# Altium PCB KlusterLab r2.0.PcbDoc (part 12 of 22)
Units mm, origin at the board's own origin, x right, y up, seen from the top; angles counter-clockwise.
Board outline 232 x 250 mm, 12 copper layers (L1 Top, L2 Inner1 (GND), L3 Inner2 (Sig), L4 Inner3 (GND), L5 Inner4 (PWR), L6 Inner5 (PWR), L7 Inner6 (PWR), L8 Inner7 (PWR), L9 Inner8 (GND), L10 Inner9 (Sig), L11 Inner10 (GND), L12 Bottom), stack 1.614 mm thick; 1169 components, 852 nets, 4679 pads, 5115 vias.
Unrouted connection lines stored in the file: 1.
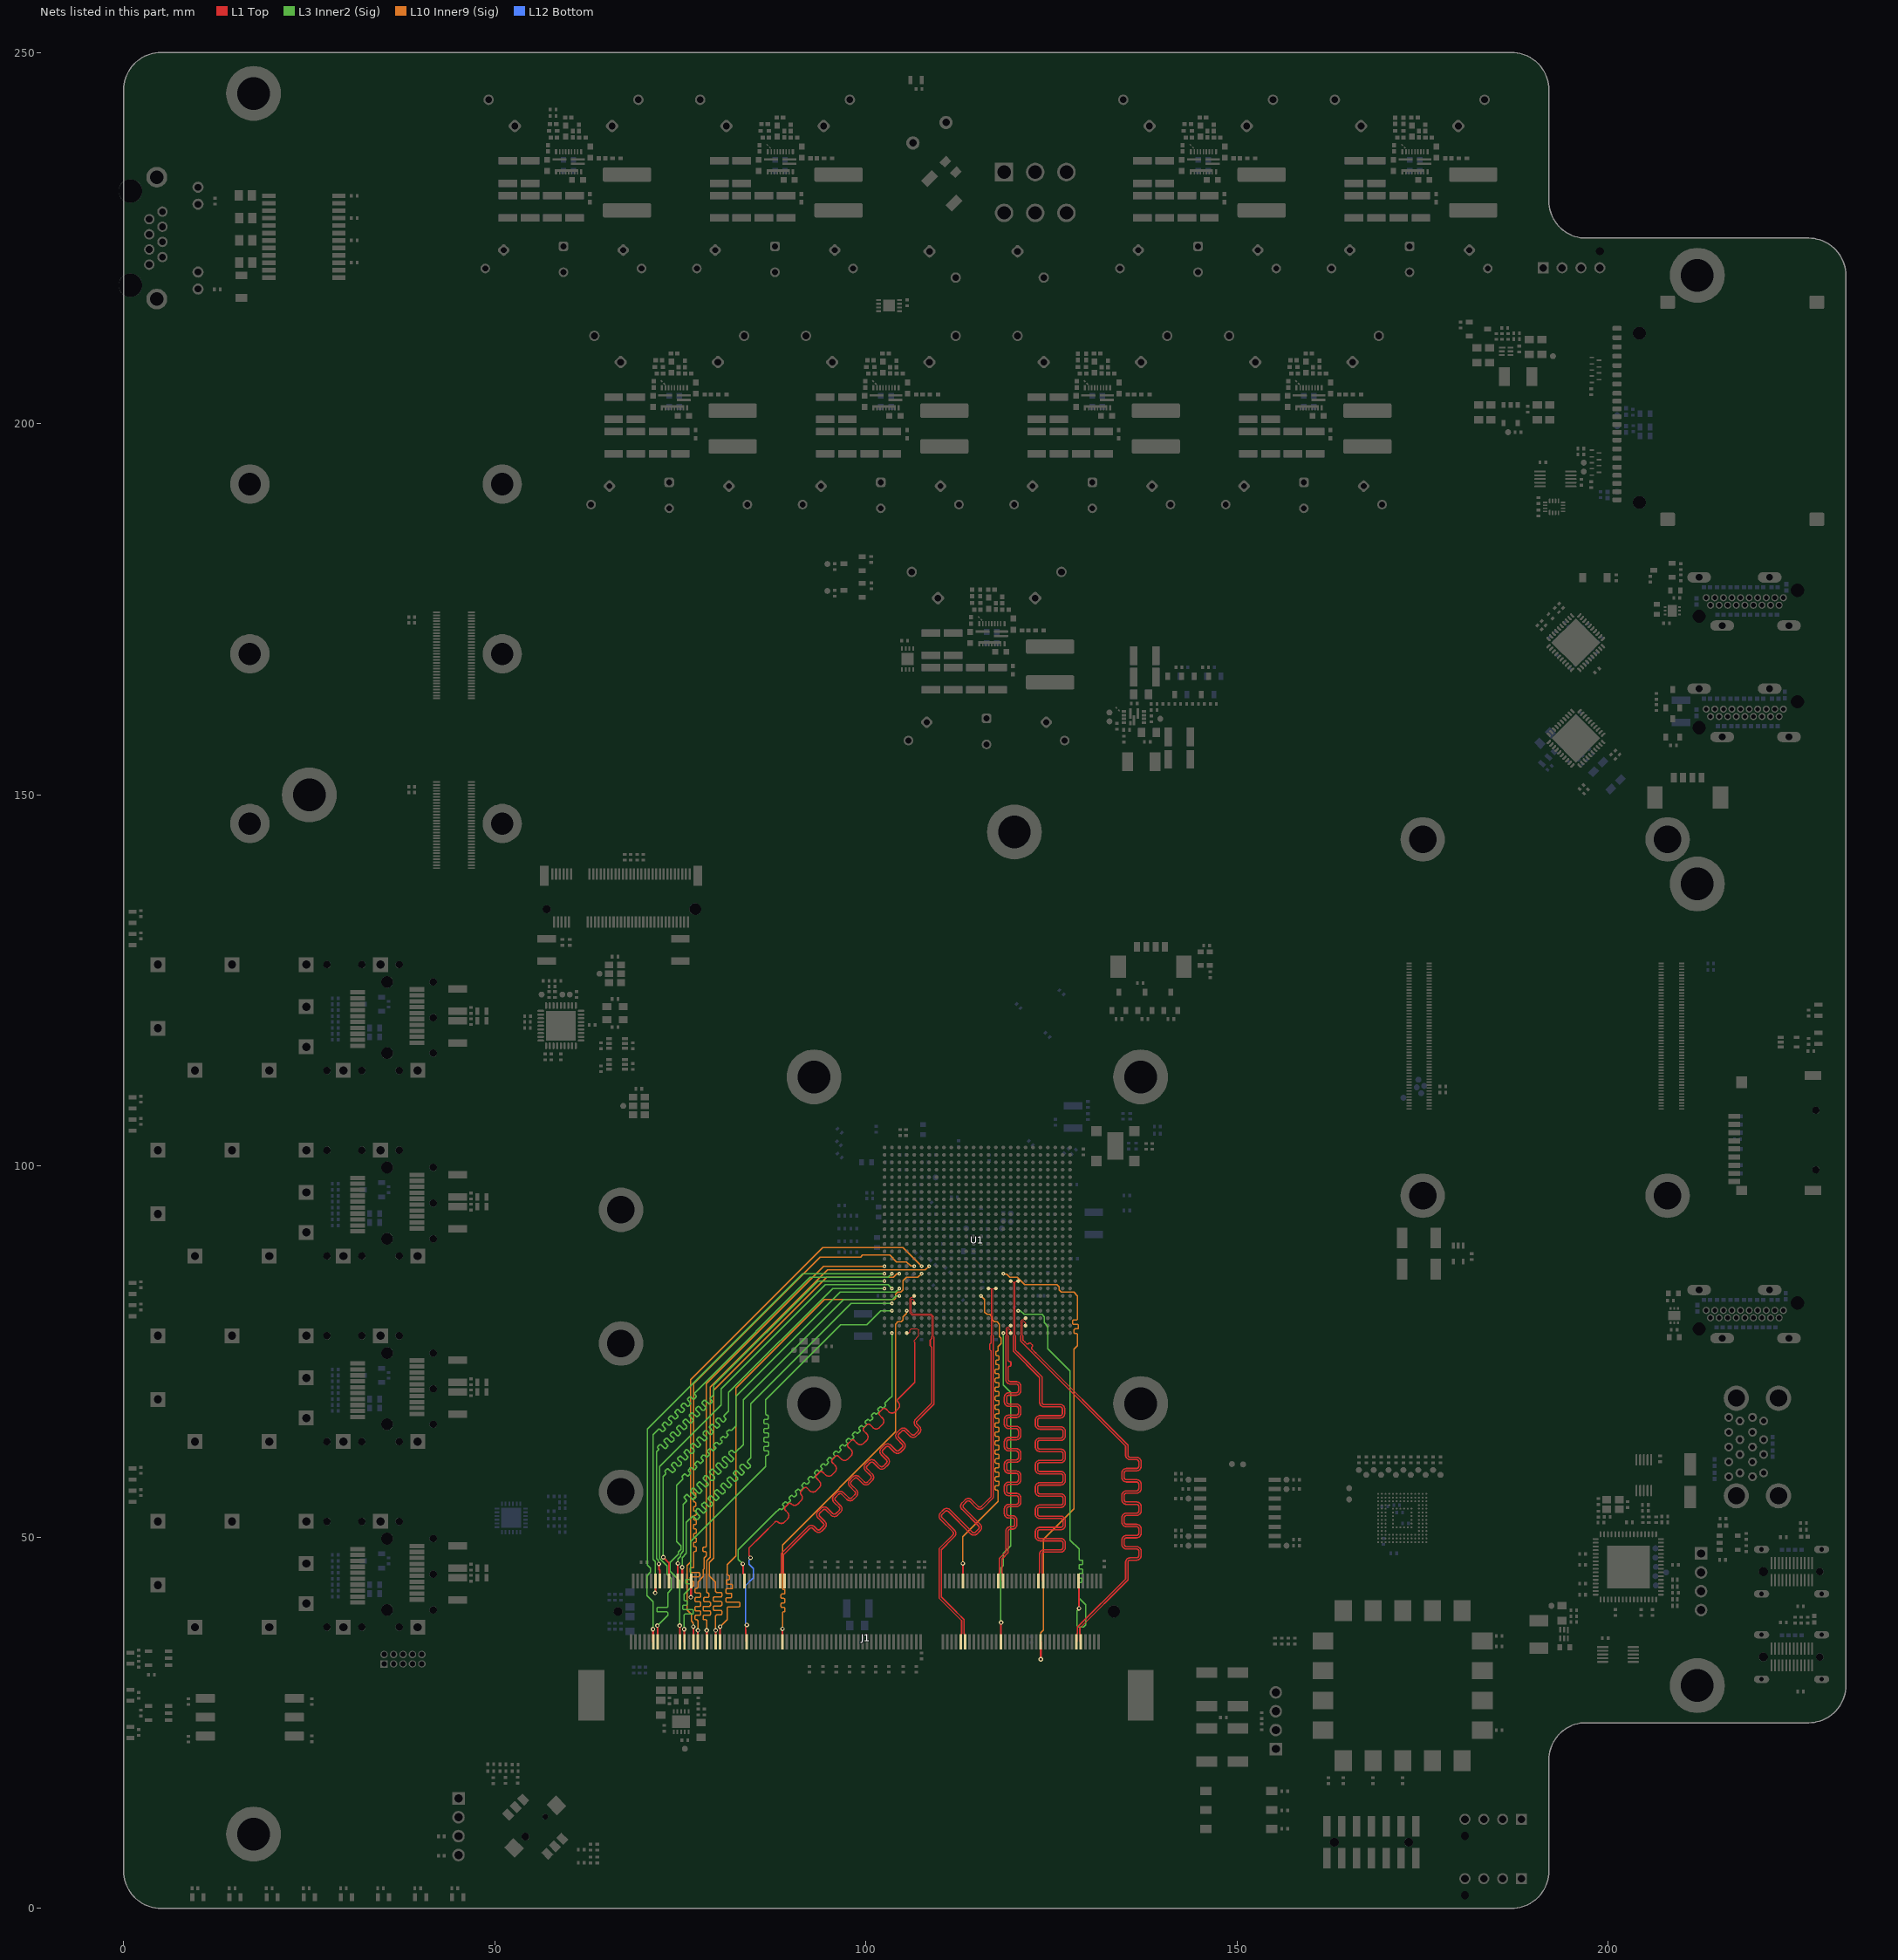
[diagram p22: the nets of this part, all layers, seen from the top]

## Via types
v1: diameter 0.45, hole 0.2, L1 Top to L12 Bottom, tented both sides, 4200 vias
v2: diameter 0.6, hole 0.3, L1 Top to L12 Bottom, tented both sides, 908 vias
v3: diameter 0.4, hole 0.2, L1 Top to L12 Bottom, tented both sides, 7 vias

## Nets (pads, with @x,y where several pads share a name; then routed paths per layer and width w, separated by ;. In a path a pad name is that pad's centre, name@x,y a point inside that pad or via, vN(x,y) a via of type N, cw(c..) or ccw(c..) an arc to the next point about the centre after c; other vN are vias at no path point) (continued)
DDR3_D51: J1.177 U1.U5 | length 75
  L1 Top w0.249: v2(76.4,41.9) 76.425,41.925 76.425,44.075 J1.177@76.45,44.1
  L10 Inner9 (Sig) w0.154: v2(76.4,41.9) 76.4,43.1 76.8,43.5 76.8,43.824 76.8,43.901 ccw(c76.646,43.901) 76.646,44.055 76.451,44.055 cw(c76.451,44.206) 76.3,44.206 76.3,44.508 cw(c76.451,44.508) 76.451,44.659 77.427,44.659 ccw(c77.427,44.81) 77.578,44.81 77.578,45.112 ccw(c77.427,45.112) 77.427,45.263 76.451,45.263 cw(c76.451,45.414) 76.3,45.414 76.3,45.716 cw(c76.451,45.716) 76.451,45.867 76.646,45.867 ccw(c76.646,46.021) 76.8,46.021 76.8,47.175 76.8,47.255 76.8,47.936 cw(c76.954,47.936) 76.954,48.09 77.009,48.09 ccw(c77.009,48.241) 77.16,48.241 77.16,48.543 ccw(c77.009,48.543) 77.009,48.694 76.919,48.694 cw(c76.919,48.845) 76.768,48.845 76.768,49.147 cw(c76.919,49.147) 76.919,49.298 77.009,49.298 ccw(c77.009,49.449) 77.16,49.449 77.16,49.751 ccw(c77.009,49.751) 77.009,49.902 76.919,49.902 cw(c76.919,50.053) 76.768,50.053 76.768,50.355 cw(c76.919,50.355) 76.919,50.506 77.009,50.506 ccw(c77.009,50.657) 77.16,50.657 77.16,50.959 ccw(c77.009,50.959) 77.009,51.11 76.919,51.11 cw(c76.919,51.261) 76.768,51.261 76.768,51.563 cw(c76.919,51.563) 76.919,51.714 77.009,51.714 ccw(c77.009,51.865) 77.16,51.865 77.16,52.167 ccw(c77.009,52.167) 77.009,52.318 76.919,52.318 cw(c76.919,52.469) 76.768,52.469 76.768,52.771 cw(c76.919,52.771) 76.919,52.922 76.982,52.922 ccw(c76.982,53.073) 77.133,53.073 77.133,53.375 ccw(c76.982,53.375) 76.982,53.526 76.919,53.526 cw(c76.919,53.677) 76.768,53.677 76.768,53.979 cw(c76.919,53.979) 76.919,54.13 ccw(c76.919,54.281) 77.07,54.281 77.07,54.583 ccw(c76.919,54.583) 76.919,54.734 cw(c76.919,54.885) 76.768,54.885 76.768,55.187 cw(c76.919,55.187) 76.919,55.338 76.954,55.338 ccw(c76.954,55.489) 77.105,55.489 77.105,55.791 ccw(c76.954,55.791) 76.954,55.942 cw(c76.954,56.096) 76.8,56.096 76.8,57.127 76.8,70.7 93.841,87.741 99.281,87.741 99.538,87.998 103.202,87.998 104.102,87.098 105.471,87.098 106.044,86.525 106.476,86.525 v1(106.5,86.5)
DDR3_D52: J1.164 U1.V6 | length 74.3
  L1 Top w0.249: v2@80.3,38 v2(80.35,37.95) J1.164@80.35,35.9
  L10 Inner9 (Sig) w0.154: v2(80.35,37.95) 81.325,38.925 81.325,39.793 81.325,40.474 cw(c81.479,40.474) 81.479,40.628 82.885,40.628 ccw(c82.885,40.779) 83.036,40.779 83.036,41.081 ccw(c82.885,41.081) 82.885,41.232 81.276,41.232 cw(c81.276,41.383) 81.125,41.383 81.125,41.685 cw(c81.276,41.685) 81.276,41.836 81.772,41.836 ccw(c81.772,41.987) 81.923,41.987 81.923,42.289 ccw(c81.772,42.289) 81.772,42.44 81.276,42.44 cw(c81.276,42.591) 81.125,42.591 81.125,42.893 cw(c81.276,42.893) 81.276,43.044 81.875,43.044 ccw(c81.875,43.195) 82.026,43.195 82.026,43.497 ccw(c81.875,43.497) 81.875,43.648 81.325,43.648 cw(c81.325,43.799) 81.174,43.799 81.174,44.101 cw(c81.325,44.101) 81.325,44.252 81.48,44.252 ccw(c81.48,44.403) 81.631,44.403 81.631,44.705 ccw(c81.48,44.705) 81.48,44.856 cw(c81.479,45.01) 81.325,45.01 81.325,45.5 81.325,46.284 82.5,47.458 82.5,70.1 88.4,76 94.4,82 103.8,82 104,82.2 104,82.7 104.3,83 104.7,83 105,83.3 105,84.569 105.431,85 107,85 v1(107.5,85.5)
DDR3_D53: J1.166 U1.V3 | length 71.4
  L1 Top w0.249: J1.166@79.75,35.9 79.75,37.35 v2@79.8,37.4
  L10 Inner9 (Sig) w0.154: v2@79.75,37.4 v2(79.75,37.45) 79.75,38.7 79.75,39.381 cw(c79.904,39.381) 79.904,39.535 80.43,39.535 ccw(c80.43,39.686) 80.581,39.686 80.581,39.988 ccw(c80.43,39.988) 80.43,40.139 79.596,40.139 cw(c79.596,40.29) 79.445,40.29 79.445,40.592 cw(c79.596,40.592) 79.596,40.743 80.43,40.743 ccw(c80.43,40.894) 80.581,40.894 80.581,41.196 ccw(c80.43,41.196) 80.43,41.347 79.596,41.347 cw(c79.596,41.498) 79.445,41.498 79.445,41.8 cw(c79.596,41.8) 79.596,41.951 80.43,41.951 ccw(c80.43,42.102) 80.581,42.102 80.581,42.404 ccw(c80.43,42.404) 80.43,42.555 79.904,42.555 cw(c79.904,42.709) 79.75,42.709 79.75,43.7 79.75,43.95 78.9,44.8 78.9,46.6 79.5,47.2 79.5,69.8 94.7,85 103.7,85 104.182,85.482 104.482,85.482 v1(104.5,85.5)
DDR3_D54: J1.174 U1.U1 | length 70.8
  L1 Top w0.249: v2@77.3,37.5 v2(77.35,37.45) J1.174@77.35,35.9
  L10 Inner9 (Sig) w0.154: v2@77.35,37.5 77.35,38.639 77.35,38.716 ccw(c77.196,38.716) 77.196,38.87 77.123,38.87 cw(c77.123,39.021) 76.972,39.021 76.972,39.323 cw(c77.123,39.323) 77.123,39.474 77.587,39.474 ccw(c77.587,39.625) 77.738,39.625 77.738,39.927 ccw(c77.587,39.927) 77.587,40.078 77.123,40.078 cw(c77.123,40.229) 76.972,40.229 76.972,40.531 cw(c77.123,40.531) 77.123,40.682 77.587,40.682 ccw(c77.587,40.833) 77.738,40.833 77.738,41.135 ccw(c77.587,41.135) 77.587,41.286 77.123,41.286 cw(c77.123,41.437) 76.972,41.437 76.972,41.739 cw(c77.123,41.739) 77.123,41.89 77.587,41.89 ccw(c77.587,42.041) 77.738,42.041 77.738,42.343 ccw(c77.587,42.343) 77.587,42.494 77.123,42.494 cw(c77.123,42.645) 76.972,42.645 76.972,42.947 cw(c77.123,42.947) 77.123,43.098 77.196,43.098 ccw(c77.196,43.252) 77.35,43.252 77.35,43.941 77.35,43.95 78.1,44.7 78.1,45.658 78.175,45.733 78.175,47.175 78.5,47.5 78.5,47.896 78.5,47.973 78.389,48.084 78.14,48.084 78.03,48.195 78.03,48.527 78.14,48.638 78.389,48.638 78.5,48.749 78.5,50.96 78.5,70.7 94.3,86.5 100.5,86.5 v1(102.5,86.5)
DDR3_D55: J1.176 U1.U6 | length 75.4
  L1 Top w0.249: v2@76.7,38 v2(76.75,37.95) J1.176@76.75,35.9
  L10 Inner9 (Sig) w0.154: v2(76.75,37.95) 76.75,38.45 76.5,38.7 76.5,39.6 75.9,40.2 75.9,46.158 76.4,46.658 76.4,71.2 80.8,75.6 89.2,84 94.2,89 105,89 v1(107.5,86.5)
DDR3_D56: J1.181 U1.AB2 | length 68.2
  L1 Top w0.249: J1.181@75.25,44.1 v2(75.25,45.95)
  L3 Inner2 (Sig) w0.154: v2(75.25,45.95) 75.25,47.25 75.8,47.8 75.8,52 76.1,52.3 76.582,52.782 cw(c76.691,52.673) 76.799,52.782 77.148,52.433 ccw(c77.255,52.54) 77.361,52.433 77.575,52.647 ccw(c77.468,52.754) 77.575,52.86 77.055,53.38 cw(c77.162,53.487) 77.055,53.594 77.268,53.808 cw(c77.375,53.701) 77.482,53.808 78.002,53.288 ccw(c78.109,53.394) 78.216,53.288 78.429,53.501 ccw(c78.322,53.608) 78.429,53.715 77.909,54.235 cw(c78.016,54.341) 77.909,54.448 78.123,54.662 cw(c78.229,54.555) 78.336,54.662 78.856,54.142 ccw(c78.963,54.249) 79.07,54.142 79.283,54.355 ccw(c79.177,54.462) 79.283,54.569 78.763,55.089 cw(c78.87,55.196) 78.763,55.303 78.977,55.516 cw(c79.084,55.409) 79.19,55.516 79.71,54.996 ccw(c79.817,55.103) 79.924,54.996 80.138,55.21 ccw(c80.031,55.316) 80.138,55.423 79.618,55.943 cw(c79.724,56.05) 79.618,56.157 79.831,56.37 cw(c79.938,56.264) 80.045,56.37 80.565,55.85 ccw(c80.672,55.957) 80.778,55.85 80.992,56.064 ccw(c80.885,56.171) 80.992,56.277 80.472,56.797 cw(c80.579,56.904) 80.472,57.011 80.685,57.225 cw(c80.792,57.118) 80.899,57.225 81.419,56.705 ccw(c81.526,56.811) 81.633,56.705 81.846,56.918 ccw(c81.739,57.025) 81.846,57.132 81.326,57.652 cw(c81.433,57.758) 81.326,57.865 81.54,58.079 cw(c81.646,57.972) 81.753,58.079 82.273,57.559 ccw(c82.38,57.666) 82.487,57.559 82.7,57.772 ccw(c82.594,57.879) 82.7,57.986 82.18,58.506 cw(c82.287,58.613) 82.18,58.72 82.394,58.933 cw(c82.501,58.826) 82.607,58.933 83.127,58.413 ccw(c83.234,58.52) 83.341,58.413 83.555,58.627 ccw(c83.448,58.733) 83.555,58.84 83.035,59.36 cw(c83.141,59.467) 83.035,59.574 83.248,59.787 cw(c83.355,59.681) 83.462,59.787 83.982,59.267 ccw(c84.088,59.374) 84.195,59.267 84.409,59.481 ccw(c84.302,59.588) 84.409,59.694 84.061,60.043 cw(c84.169,60.152) 84.061,60.261 84.3,60.5 84.5,60.7 84.5,68 98,81.5 101,81.5 v1(103.5,81.5)
DDR3_D57: J1.183 U1.AA3 | length 70.2
  L1 Top w0.249: J1.183@74.65,44.1 v2(74.65,46.45)
  L3 Inner2 (Sig) w0.154: v2(74.65,46.45) 74.65,47.06 75,47.41 75,47.7 75.4,48.1 75.4,54.4 75.75,54.75 75.804,54.804 ccw(c75.696,54.913) 75.804,55.022 75.556,55.271 cw(c75.663,55.378) 75.556,55.485 75.769,55.698 cw(c75.876,55.591) 75.983,55.698 76.587,55.094 ccw(c76.694,55.201) 76.801,55.094 77.014,55.307 ccw(c76.908,55.414) 77.014,55.521 76.41,56.125 cw(c76.517,56.232) 76.41,56.339 76.624,56.552 cw(c76.73,56.446) 76.837,56.552 77.442,55.948 ccw(c77.548,56.055) 77.655,55.948 77.869,56.162 ccw(c77.762,56.268) 77.869,56.375 77.264,56.98 cw(c77.371,57.086) 77.264,57.193 77.478,57.407 cw(c77.585,57.3) 77.691,57.407 78.296,56.802 ccw(c78.403,56.909) 78.509,56.802 78.723,57.016 ccw(c78.616,57.123) 78.723,57.229 78.118,57.834 cw(c78.225,57.941) 78.118,58.047 78.332,58.261 cw(c78.439,58.154) 78.546,58.261 79.15,57.656 ccw(c79.257,57.763) 79.364,57.656 79.577,57.87 ccw(c79.47,57.977) 79.577,58.084 78.973,58.688 cw(c79.08,58.795) 78.973,58.902 79.186,59.115 cw(c79.293,59.008) 79.4,59.115 80.004,58.511 ccw(c80.111,58.618) 80.218,58.511 80.431,58.724 ccw(c80.325,58.831) 80.431,58.938 79.827,59.542 cw(c79.934,59.649) 79.827,59.756 80.041,59.969 cw(c80.147,59.863) 80.254,59.969 80.859,59.365 ccw(c80.965,59.472) 81.072,59.365 81.286,59.579 ccw(c81.179,59.685) 81.286,59.792 80.681,60.397 cw(c80.788,60.503) 80.681,60.61 80.895,60.824 cw(c81.002,60.717) 81.108,60.824 81.713,60.219 ccw(c81.82,60.326) 81.926,60.219 82.14,60.433 ccw(c82.033,60.54) 82.14,60.646 81.565,61.221 cw(c81.672,61.328) 81.565,61.435 81.779,61.648 cw(c81.885,61.542) 81.992,61.648 82.211,61.429 ccw(c82.32,61.538) 82.429,61.429 83.456,62.456 83.5,62.5 83.5,68.5 97,82 103.569,82 104.044,82.475 104.475,82.475 v1(104.5,82.5)
DDR3_D58: J1.191 U1.W1 | length 71.3
  L1 Top w0.249: v2(72.1,46.4) 72.124,46.376 72.124,45.634 72.25,45.508 J1.191@72.25,44.1
  L3 Inner2 (Sig) w0.154: v2(72.1,46.4) 72.015,46.485 72.015,46.914 71.8,47.129 71.8,61.5 71.975,61.675 72.03,61.73 ccw(c71.921,61.839) 72.03,61.948 71.969,62.009 cw(c72.076,62.116) 71.969,62.222 72.182,62.436 cw(c72.289,62.329) 72.396,62.436 72.84,61.992 ccw(c72.947,62.098) 73.054,61.992 73.267,62.205 ccw(c73.161,62.312) 73.267,62.419 72.823,62.863 cw(c72.93,62.97) 72.823,63.077 73.037,63.29 cw(c73.143,63.183) 73.25,63.29 73.694,62.846 ccw(c73.801,62.953) 73.908,62.846 74.122,63.059 ccw(c74.015,63.166) 74.122,63.273 73.677,63.717 cw(c73.784,63.824) 73.677,63.931 73.891,64.144 cw(c73.998,64.038) 74.104,64.144 74.549,63.7 ccw(c74.655,63.807) 74.762,63.7 74.976,63.914 ccw(c74.869,64.02) 74.976,64.127 74.531,64.571 cw(c74.638,64.678) 74.531,64.785 74.745,64.999 cw(c74.852,64.892) 74.959,64.999 75.403,64.554 ccw(c75.51,64.661) 75.617,64.554 75.83,64.768 ccw(c75.723,64.875) 75.83,64.981 75.386,65.426 cw(c75.493,65.532) 75.386,65.639 75.599,65.853 cw(c75.706,65.746) 75.813,65.853 76.257,65.408 ccw(c76.364,65.515) 76.471,65.408 76.684,65.622 ccw(c76.578,65.729) 76.684,65.836 76.24,66.28 cw(c76.347,66.387) 76.24,66.494 76.454,66.707 cw(c76.56,66.6) 76.667,66.707 77.111,66.263 ccw(c77.218,66.37) 77.325,66.263 77.539,66.476 ccw(c77.432,66.583) 77.539,66.69 77.094,67.134 cw(c77.201,67.241) 77.094,67.348 77.308,67.561 cw(c77.415,67.455) 77.521,67.561 77.966,67.117 ccw(c78.072,67.224) 78.179,67.117 78.393,67.331 ccw(c78.286,67.437) 78.393,67.544 77.948,67.988 cw(c78.055,68.095) 77.948,68.202 78.162,68.416 cw(c78.269,68.309) 78.376,68.416 78.82,67.971 ccw(c78.927,68.078) 79.033,67.971 79.247,68.185 ccw(c79.14,68.292) 79.247,68.398 79.082,68.564 cw(c79.191,68.673) 79.082,68.782 79.478,69.178 79.5,69.2 79.5,70.5 93.5,84.5 v1(102.5,84.5)
DDR3_D59: J1.193 U1.V2 | length 71.5
  L1 Top w0.249: v2(71.6,42.5) 71.625,42.525 71.625,44.075 J1.193@71.65,44.1
  L3 Inner2 (Sig) w0.154: v2(71.6,42.5) 71.6,46.7 71.3,47 71.3,63.8 71.539,64.039 72.021,64.521 cw(c72.13,64.412) 72.239,64.521 72.495,64.264 ccw(c72.602,64.371) 72.708,64.264 72.922,64.478 ccw(c72.815,64.585) 72.922,64.692 72.586,65.028 cw(c72.693,65.134) 72.586,65.241 72.8,65.455 cw(c72.906,65.348) 73.013,65.455 73.349,65.119 ccw(c73.456,65.225) 73.563,65.119 73.776,65.332 ccw(c73.669,65.439) 73.776,65.546 73.44,65.882 cw(c73.547,65.989) 73.44,66.095 73.654,66.309 cw(c73.761,66.202) 73.867,66.309 74.203,65.973 ccw(c74.31,66.08) 74.417,65.973 74.63,66.186 ccw(c74.524,66.293) 74.63,66.4 74.294,66.736 cw(c74.401,66.843) 74.294,66.95 74.508,67.163 cw(c74.615,67.056) 74.722,67.163 75.058,66.827 ; 75.058,66.827 ccw(c75.164,66.934) 75.271,66.827 75.485,67.041 ccw(c75.378,67.147) 75.485,67.254 75.149,67.59 cw(c75.255,67.697) 75.149,67.804 75.362,68.017 cw(c75.469,67.911) 75.576,68.017 75.912,67.681 ccw(c76.019,67.788) 76.125,67.681 76.339,67.895 ccw(c76.232,68.002) 76.339,68.109 76.003,68.445 cw(c76.11,68.551) 76.003,68.658 76.216,68.872 cw(c76.323,68.765) 76.43,68.872 76.662,68.64 ccw(c76.768,68.747) 76.875,68.64 77.089,68.854 ccw(c76.982,68.96) 77.089,69.067 76.937,69.219 cw(c77.046,69.328) 76.937,69.437 77.9,70.4 92.5,85 103,85 v1(103.5,85.5)
DDR3_D60: J1.180 U1.AC2 | length 67.8
  L1 Top w0.249: v2(75.5,37.6) 75.525,37.575 75.525,35.925 J1.180@75.55,35.9
  L3 Inner2 (Sig) w0.154: v2(75.5,37.6) 75.5,38.8 75.5,39.481 cw(c75.654,39.481) 75.654,39.635 76.59,39.635 ccw(c76.59,39.786) 76.742,39.786 76.742,40.088 ccw(c76.59,40.088) 76.59,40.239 75.455,40.239 cw(c75.455,40.39) 75.304,40.39 75.304,40.692 cw(c75.455,40.692) 75.455,40.843 75.772,40.843 ccw(c75.772,40.994) 75.923,40.994 75.923,41.296 ccw(c75.772,41.296) 75.772,41.447 75.654,41.447 cw(c75.654,41.601) 75.5,41.601 75.5,42 75.5,42.3 76.4,43.2 76.4,43.485 76.4,43.562 ccw(c76.246,43.562) 76.246,43.716 75.877,43.716 cw(c75.877,43.867) 75.726,43.867 75.726,44.169 cw(c75.877,44.169) 75.877,44.32 76.246,44.32 ccw(c76.246,44.474) 76.4,44.474 76.4,47.508 76.4,49.4 86.5,59.5 86.5,60.187 86.5,60.868 cw(c86.654,60.868) 86.654,61.022 86.733,61.022 ccw(c86.733,61.173) 86.884,61.173 86.884,61.475 ccw(c86.733,61.475) 86.733,61.626 86.403,61.626 cw(c86.403,61.777) 86.252,61.777 86.252,62.079 cw(c86.403,62.079) 86.403,62.23 86.733,62.23 ccw(c86.733,62.381) 86.884,62.381 86.884,62.683 ccw(c86.733,62.683) 86.733,62.834 86.403,62.834 cw(c86.403,62.985) 86.252,62.985 86.252,63.287 cw(c86.403,63.287) 86.403,63.438 86.733,63.438 ccw(c86.733,63.589) 86.884,63.589 86.884,63.891 ccw(c86.733,63.891) 86.733,64.042 86.403,64.042 cw(c86.403,64.193) 86.252,64.193 86.252,64.495 cw(c86.403,64.495) 86.403,64.646 86.733,64.646 ccw(c86.733,64.797) 86.884,64.797 86.884,65.099 ccw(c86.733,65.099) 86.733,65.25 86.403,65.25 cw(c86.403,65.401) 86.252,65.401 86.252,65.703 cw(c86.403,65.703) 86.403,65.854 86.662,65.854 ccw(c86.662,66.005) 86.813,66.005 86.813,66.307 ccw(c86.662,66.307) 86.662,66.458 86.654,66.458 cw(c86.654,66.612) 86.5,66.612 86.5,67.2 86.5,68.5 96.6,78.6 100.1,78.6 102,80.5 v1(103.5,80.5)
DDR3_D61: J1.182 U1.Y3 | length 71.9
  L1 Top w0.249: v2(74.9,38.1) 74.925,38.075 74.925,35.925 J1.182@74.95,35.9
  L3 Inner2 (Sig) w0.154: 74.7,47.7 73.6,46.6 73.6,45.4 74.9,44.1 v2(74.9,38.1) ; 74.7,47.701 74.731,47.732 74.731,48.015 75.1,48.384 75.1,48.8 74.5,49.4 74.5,57 75.237,57.737 75.292,57.792 ccw(c75.183,57.901) 75.292,58.009 75.268,58.033 cw(c75.374,58.14) 75.268,58.247 75.481,58.461 cw(c75.588,58.354) 75.695,58.461 75.876,58.28 ccw(c75.983,58.386) 76.089,58.28 76.303,58.493 ccw(c76.196,58.6) 76.303,58.707 76.122,58.888 cw(c76.229,58.994) 76.122,59.101 76.335,59.315 cw(c76.442,59.208) 76.549,59.315 76.73,59.134 ccw(c76.837,59.241) 76.944,59.134 77.157,59.347 ccw(c77.05,59.454) 77.157,59.561 76.976,59.742 cw(c77.083,59.849) 76.976,59.956 77.19,60.169 cw(c77.296,60.062) 77.403,60.169 77.584,59.988 ccw(c77.691,60.095) 77.798,59.988 78.011,60.202 ccw(c77.905,60.308) 78.011,60.415 77.83,60.596 cw(c77.937,60.703) 77.83,60.81 78.044,61.023 cw(c78.151,60.917) 78.257,61.023 78.439,60.842 ccw(c78.545,60.949) 78.652,60.842 78.866,61.056 ccw(c78.759,61.163) 78.866,61.269 78.685,61.45 cw(c78.791,61.557) 78.685,61.664 78.898,61.878 cw(c79.005,61.771) 79.112,61.878 79.293,61.697 ccw(c79.4,61.803) 79.506,61.697 79.72,61.91 ccw(c79.613,62.017) 79.72,62.124 79.539,62.305 cw(c79.646,62.411) 79.539,62.518 79.752,62.732 cw(c79.859,62.625) 79.966,62.732 80.147,62.551 ccw(c80.254,62.658) 80.361,62.551 80.574,62.764 ccw(c80.467,62.871) 80.574,62.978 80.455,63.097 cw(c80.561,63.204) 80.455,63.311 80.668,63.525 cw(c80.775,63.418) 80.882,63.525 80.953,63.453 ccw(c81.06,63.56) 81.167,63.453 81.38,63.667 ccw(c81.274,63.773) 81.38,63.88 81.271,63.989 cw(c81.378,64.096) 81.271,64.203 81.485,64.416 cw(c81.592,64.31) 81.698,64.416 ccw(c81.807,64.525) 81.916,64.416 82.1,64.6 82.5,65 82.5,69 96.5,83 104,83 v1(104.5,83.5)
DDR3_D62: J1.192 U1.Y2 | length 70.7
  L1 Top w0.249: v2(71.9,38.1) 71.925,38.075 71.925,35.925 J1.192@71.95,35.9
  L3 Inner2 (Sig) w0.154: v2(71.9,38.1) 73.3,39.5 73.3,39.706 73.3,39.783 ccw(c73.146,39.783) 73.146,39.937 71.981,39.937 cw(c71.981,40.088) 71.83,40.088 71.83,40.39 cw(c71.981,40.39) 71.981,40.541 73.146,40.541 ccw(c73.146,40.695) 73.3,40.695 73.3,42.229 73.3,42.5 73.8,43 73.8,44.4 73.2,45 73.2,46.1 72.2,47.1 72.2,59.5 72.7,60 80.1,67.4 80.5,67.8 80.5,70 94.5,84 103,84 v1(103.5,83.5)
DDR3_D63: J1.194 U1.V1 | length 70
  L1 Top w0.249: v2(71.3,37.6) 71.325,37.575 71.325,35.925 J1.194@71.35,35.9
  L3 Inner2 (Sig) w0.154: v2(71.3,37.6) 71.3,41.3 70.5,42.1 70.5,44.8 70.977,45.277 70.977,45.848 70.573,46.252 70.573,64.573 91.5,85.5 v1(102.5,85.5)
DDR3_DM0: J1.11 U1.AC19 | length 57.2
  L1 Top w0.249: J1.11@128.65,44.1 128.675,44.075 128.675,40.425 v2(128.7,40.4)
  L3 Inner2 (Sig) w0.154: v1(120.5,80.5) 120.518,80.482 120.818,80.482 121.3,80 123.7,80 124,79.7 124,78.9 124.5,78.4 124.5,75.4 127.5,72.4 127.5,49.6 128.7,48.4 128.7,47.143 128.7,47.066 ccw(c128.854,47.066) 128.854,46.912 129.045,46.912 cw(c129.045,46.761) 129.196,46.761 129.196,46.459 cw(c129.045,46.459) 129.045,46.308 128.848,46.308 ccw(c128.848,46.157) 128.697,46.157 128.697,45.855 ccw(c128.848,45.855) 128.848,45.704 129.045,45.704 cw(c129.045,45.553) 129.196,45.553 129.196,45.251 cw(c129.045,45.251) 129.045,45.1 128.848,45.1 ccw(c128.848,44.949) 128.697,44.949 128.697,44.647 ccw(c128.848,44.647) 128.848,44.496 128.94,44.496 cw(c128.94,44.345) 129.091,44.345 129.091,44.043 cw(c128.94,44.043) 128.94,43.892 128.854,43.892 ccw(c128.854,43.738) 128.7,43.738 128.7,42.7 128.7,41.8 129.6,40.9 129.6,38.2 129.3,37.9 128.6,37.9 128.4,38.1 128.4,40.087 128.7,40.387 v2(128.7,40.4)
DDR3_DM1: J1.28 U1.V17 | length 66.8
  L1 Top w0.249: v2(123.55,33.55) J1.28@123.55,35.9
  L10 Inner9 (Sig) w0.154: v1(118.5,85.5) 118.556,85.444 118.956,85.444 119.4,85 120.4,85 121.4,84 125.7,84 126,83.7 126,83.3 126.3,83 128,83 128.5,82.5 128.5,80.1 128.5,79.419 cw(c128.346,79.419) 128.346,79.265 127.986,79.265 ccw(c127.986,79.114) 127.835,79.114 127.835,78.812 ccw(c127.986,78.812) 127.986,78.661 128.473,78.661 cw(c128.473,78.51) 128.624,78.51 128.624,78.208 cw(c128.473,78.208) 128.473,78.057 128.171,78.057 ccw(c128.171,77.906) 128.02,77.906 128.02,77.604 ccw(c128.171,77.604) 128.171,77.453 128.346,77.453 cw(c128.346,77.299) 128.5,77.299 128.5,76.136 128.5,75.799 128,75.299 128,53.8 127.1,52.9 123.9,49.7 123.9,37.5 123.55,37.15 v2(123.55,33.55)
DDR3_DM2: J1.46 U1.AF17 | length 42.6
  L1 Top w0.249: J1.46@118.15,35.9 118.175,35.925 118.175,38.475 v2(118.2,38.5)
  L3 Inner2 (Sig) w0.154: v2(118.2,38.5) 118.15,38.55 118.15,45.85 118.5,46.2 118.5,47.8 119.5,48.8 119.5,69.5 118.5,70.5 v1(118.5,77.5)
DDR3_DM3: J1.63 U1.AA14 | length 53.9
  L1 Top w0.249: J1.63@113.05,44.1 v2(113.05,46.45)
  L10 Inner9 (Sig) w0.154: v2(113.05,46.45) 113.05,50.05 117.8,54.8 117.8,56.1 117.8,56.177 ccw(c117.646,56.177) 117.646,56.331 117.556,56.331 cw(c117.556,56.482) 117.405,56.482 117.405,56.784 cw(c117.556,56.784) 117.556,56.935 117.771,56.935 ccw(c117.771,57.086) 117.922,57.086 117.922,57.388 ccw(c117.771,57.388) 117.771,57.539 117.556,57.539 cw(c117.556,57.69) 117.405,57.69 117.405,57.992 cw(c117.556,57.992) 117.556,58.143 117.771,58.143 ccw(c117.771,58.294) 117.922,58.294 117.922,58.596 ccw(c117.771,58.596) 117.771,58.747 117.556,58.747 cw(c117.556,58.898) 117.405,58.898 117.405,59.2 cw(c117.556,59.2) 117.556,59.351 117.771,59.351 ccw(c117.771,59.502) 117.922,59.502 117.922,59.804 ccw(c117.771,59.804) 117.771,59.955 117.556,59.955 cw(c117.556,60.106) 117.405,60.106 117.405,60.408 cw(c117.556,60.408) 117.556,60.559 117.771,60.559 ccw(c117.771,60.71) 117.922,60.71 117.922,61.012 ccw(c117.771,61.012) 117.771,61.163 117.556,61.163 cw(c117.556,61.314) 117.405,61.314 117.405,61.616 cw(c117.556,61.616) 117.556,61.767 117.771,61.767 ccw(c117.771,61.918) 117.922,61.918 117.922,62.22 ccw(c117.771,62.22) 117.771,62.371 117.556,62.371 cw(c117.556,62.522) 117.405,62.522 117.405,62.824 cw(c117.556,62.824) 117.556,62.975 117.771,62.975 ccw(c117.771,63.126) 117.922,63.126 117.922,63.428 ccw(c117.771,63.428) 117.771,63.579 117.556,63.579 cw(c117.556,63.73) 117.405,63.73 117.405,64.032 cw(c117.556,64.032) 117.556,64.183 117.771,64.183 ccw(c117.771,64.334) 117.922,64.334 117.922,64.636 ccw(c117.771,64.636) 117.771,64.787 117.556,64.787 cw(c117.556,64.938) 117.405,64.938 117.405,65.24 cw(c117.556,65.24) 117.556,65.391 117.771,65.391 ccw(c117.771,65.542) 117.922,65.542 117.922,65.844 ccw(c117.771,65.844) 117.771,65.995 117.556,65.995 cw(c117.556,66.146) 117.405,66.146 117.405,66.448 cw(c117.556,66.448) 117.556,66.599 117.771,66.599 ccw(c117.771,66.75) 117.922,66.75 117.922,67.052 ccw(c117.771,67.052) 117.771,67.203 117.556,67.203 cw(c117.556,67.354) 117.405,67.354 117.405,67.656 cw(c117.556,67.656) 117.556,67.807 117.771,67.807 ccw(c117.771,67.958) 117.922,67.958 117.922,68.26 ccw(c117.771,68.26) 117.771,68.411 117.556,68.411 cw(c117.556,68.562) 117.405,68.562 117.405,68.864 cw(c117.556,68.864) 117.556,69.015 117.771,69.015 ccw(c117.771,69.166) 117.922,69.166 117.922,69.468 ccw(c117.771,69.468) 117.771,69.619 117.556,69.619 cw(c117.556,69.77) 117.405,69.77 117.405,70.072 cw(c117.556,70.072) 117.556,70.223 117.771,70.223 ccw(c117.771,70.374) 117.922,70.374 117.922,70.676 ccw(c117.771,70.676) 117.771,70.827 117.556,70.827 cw(c117.556,70.978) 117.405,70.978 117.405,71.28 cw(c117.556,71.28) 117.556,71.431 117.771,71.431 ccw(c117.771,71.582) 117.922,71.582 117.922,71.884 ccw(c117.771,71.884) 117.771,72.035 117.556,72.035 cw(c117.556,72.186) 117.405,72.186 117.405,72.488 cw(c117.556,72.488) 117.556,72.639 117.771,72.639 ccw(c117.771,72.79) 117.922,72.79 117.922,73.092 ccw(c117.771,73.092) 117.771,73.243 117.648,73.243 cw(c117.648,73.394) 117.497,73.394 117.497,73.696 cw(c117.648,73.696) 117.648,73.847 117.771,73.847 ccw(c117.771,73.998) 117.922,73.998 117.922,74.3 ccw(c117.771,74.3) 117.771,74.451 117.646,74.451 cw(c117.646,74.602) 117.495,74.602 117.495,74.904 cw(c117.646,74.904) 117.646,75.055 ccw(c117.646,75.209) 117.8,75.209 117.8,75.653 117.8,75.7 118.2,76.1 118.2,76.8 118,77 118,78.7 117.7,79 117.3,79 117,79.3 117,79.7 116.7,80 116.3,80 116,80.3 116,82 v1(115.5,82.5)